# Allegro board LAY-27392_C.brd (continued)
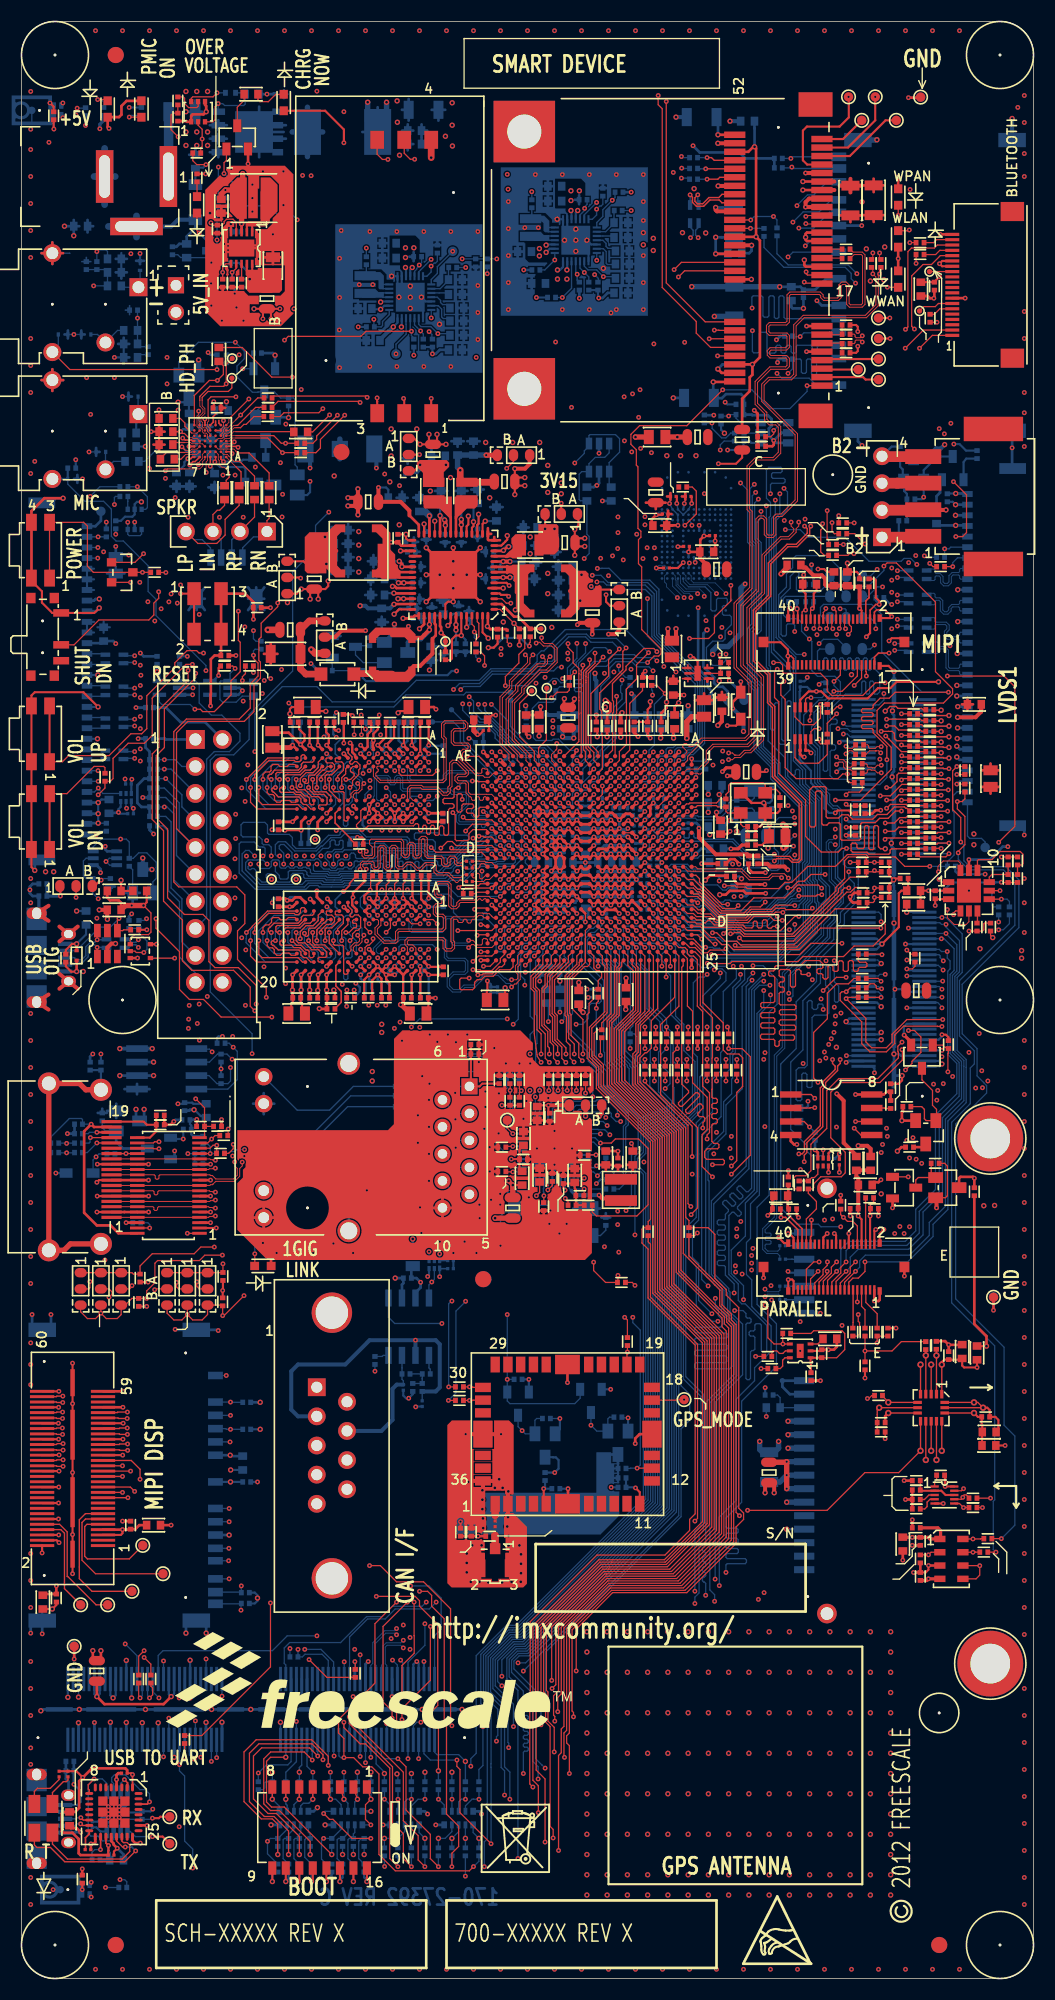
[diagram p0: board, top side]
## Routing (per net, layer and track width the routed paths; a pad name or vN(x,y) marks a point on that pad's centre or on a via; arc(x,y) is an arc through that point) (continued)
  BOTTOM w0.254: v1(55.47,110.61) 55.68,110.4
  BOTTOM w0.305: v1(58.03,116.85) 57.66,117.22 C609.1 ; 55.68,110.4 C638.1
HDMI_VPH: length 2.5
  TOP w0.254: R46.2 55.12,116.85 v2(55.11,116.84) ; U1.M7 v1(54.67,110.61)
  BOTTOM w0.254: C625.1 v1(54.67,110.61) ; C610.1 55.12,116.85 v2(55.11,116.84)
HEADPHONE_DET: length 19.6
  TOP w0.114: J2.6 4.57,151.38 v1(18.41,151.38)
  BOTTOM w0.119: TVS502.2 3.49,153.59 J2.6 ; v1(18.41,151.38) R554.2 R553.1
HP_DET_OUT: length 7.9
  TOP w0.203: J8.19 11.52,80.63 11.81,80.34 C86.1 ; C86.1 R151.1 ; C86.1 12.71,79.73 12.1,79.13 U16.20
HP_L: length 3.9
  BOTTOM w0.119: L505.2 9.06,155.07 J2.4 7.17,154.69 TVS501.2
HP_R: length 3.3
  BOTTOM w0.119: TVS500.2 11.17,159.28 J2.1 9.54,159.13 L504.2
HPOUTL: length 24.2
  TOP w0.076: v1(16.66,142.44) 16.79,142.75 17.03,142.99 17.03,143.4 U7.B5
  L3_INT_1 w0.114: v1(16.66,142.44) 16.66,141.97 16.27,141.58 15.24,141.58 15.09,141.73 15.09,142.34 14.71,142.72 14.71,143.41 14.22,143.89 14.22,147.78 11.73,150.27 11.73,155.43 v1(10.94,156.22)
  BOTTOM w0.119: C534.1 11.2,153.54 R545.1 L505.1 v1(10.94,156.22) 10.94,156.97 R541.1
HPOUTL_CAP: length 1.1
  BOTTOM w0.119: R552.1 11.2,152.79 C534.2
HPOUTR: length 29.7
  TOP w0.076: 15.37,142.04 16.79,142.04 17.07,142.32 17.07,142.74 17.28,142.95 U7.A5
  TOP w0.119: v1(13.56,141.86) 13.74,142.04 15.37,142.04
  L3_INT_1 w0.114: v1(13.56,141.86) 11.94,143.48 11.61,143.48 11.1,143.99 11.1,144.81 6.81,149.1 v1(6.81,159.26)
  BOTTOM w0.119: R526.1 C519.1 7.85,160.79 R529.1 L504.1 v1(6.81,159.26)
HPOUTR_CAP: length 2.8
  BOTTOM w0.119: R525.1 8.11,162.5 7.98,162.64 7.26,162.64 v1(7.11,162.48) C519.2
I2C1_SCL: length 223.2
  TOP w0.119: R189.2 v1(79.38,59.05) ; v1(79.38,59.05) R181.1 ; v1(79.38,59.05) 81.91,59.05 82.8,59.94 R187.1 ; v1(31.88,148.29) 31.76,148.4 24.16,148.4 R12.1
  TOP w0.178: U1.N5 v1(53.07,112.21)
  L3_INT_1 w0.114: v1(84.15,133.88) 85.39,132.64 86.08,132.64 87.15,131.57 88.01,131.57 93.29,126.29 93.29,107.56 93.73,107.13 93.73,97.54 89.6,93.41 89.6,88.89 91.69,86.79 91.69,83.82 90.04,82.17 89.53,82.17 87.25,79.88 87.25,68.71 86.61,68.07 86.61,62.48 83.69,59.56 81.15,59.56 80.64,59.05 v1(79.38,59.05) ; v1(53.07,112.21) 53.26,112.41 53.26,114.06 53.78,114.58 53.78,116.05 53.35,116.49 53.35,117.73 53.63,118.02 53.63,119.55 55.55,121.46 56.44,121.46 56.76,121.79 56.77,121.79 57.37,122.38 v1(57.37,123.19) 57.37,124.02 57.84,124.49 57.84,130.42 57.02,131.23 57.02,133.32 57.02,133.89 57.02,137.74 57.71,138.43 57.71,142.75 57.86,142.9 57.86,144.33 58.26,144.73 58.26,145.34 58.08,145.52 v1(58.08,146.89)
  L6_INT_2 w0.114: v1(31.88,148.29) 32.07,148.09 44.13,148.09 46.1,146.13 48.46,146.13 49.23,146.89 v1(58.08,146.89) ; v1(57.37,123.19) 58,122.55 61.43,122.55 61.43,122.55 61.76,122.55 61.76,122.55 62.86,122.55 64.21,121.21 68.25,121.21 68.45,121.41 71.67,121.41 72.14,121.89 72.14,123.06 71.4,123.79 71.4,127.92 71.93,128.45 73.13,128.45 73.39,128.7 73.39,129.25 73.81,129.67 78.16,129.67 78.48,129.34 78.48,128.74 79.08,128.14 79.08,124.68 79.59,124.17 82.59,124.17 83.1,124.68 83.1,133.41 83.57,133.88 v1(84.15,133.88)
I2C1_SDA: length 233.6
  TOP w0.119: R193.1 80.01,54.86 79.73,54.58 v1(79.6,54.58) ; R183.2 R182.1 v1(80.52,59.82) ; v1(32.54,148.77) 32.41,148.89 23.77,148.89 R11.1
  TOP w0.178: v1(53.87,111.41) U1.N6
  L3_INT_1 w0.114: v1(53.87,111.41) 53.45,111.82 52.91,111.82 52.68,112.05 52.68,112.37 52.43,112.62 52.11,112.62 51.88,112.85 51.88,114.77 52.11,115 52.95,115 53.14,115.19 53.14,115.78 52.7,116.22 52.7,118 52.98,118.29 52.98,120.17 v1(55.75,122.94) 55.75,125.43 57.18,126.85 57.18,130.06 56.28,130.96 56.28,132.42 56.03,132.67 56.03,133.73 56.59,134.29 56.59,138.33 57.15,138.89 57.15,142.57 57,142.72 57,143.97 57.15,144.12 57.15,146.56 59.51,148.92 v1(59.51,153.8) ; v1(80.52,59.82) 83.59,59.82 86.36,62.59 86.36,68.18 86.99,68.81 86.99,79.99 89.43,82.42 89.94,82.42 91.44,83.93 91.44,86.74 89.34,88.84 89.34,93.84 93.5,97.99 93.5,107.04 92.2,108.33 92.2,125.81 85.72,132.28 84.42,132.28 v1(83.48,133.22)
  L6_INT_2 w0.114: v1(55.75,122.94) 56.64,122.94 57.28,122.3 62.74,122.3 64.11,120.93 68.48,120.93 68.71,121.16 71.75,121.16 72.39,121.79 72.39,123.19 71.67,123.91 71.67,127.58 72.21,128.12 74.04,128.12 74.42,128.5 74.8,128.5 75.06,128.75 75.06,129.25 75.26,129.45 78,129.45 78.26,129.18 78.26,128.65 78.87,128.05 78.87,124.59 79.5,123.95 82.68,123.95 83.31,124.59 83.31,129.39 83.78,129.85 83.78,131.66 83.48,131.95 v1(83.48,133.22) ; v1(79.6,54.58) 79.73,54.58 80.52,55.37 v1(80.52,59.82) ; v1(32.54,148.77) 33.63,149.86 41.88,149.86 45.55,153.53 59.25,153.53 v1(59.51,153.8)
I2C2_SCL: length 268.8
  TOP w0.119: R306.1 43.21,124.82 43.59,124.45 v1(43.59,123.55) ; R172.1 R173.1 R174.1 10.41,66.42 10.55,66.29 R170.2 11.18,67.06 12.32,68.2 16.26,68.2 16.89,68.83 v1(18.16,68.83) ; v1(76.71,119) 75.82,118.11 R53.1 ; v1(86.61,89.59) 86.2,89.59 86.17,89.61 83,89.61 82.17,88.78 82.17,87.99 81.38,87.2 79.83,87.2 79.07,87.96 79.07,90.02 77.04,92.05 77.04,92.69 77.2,92.85 v1(77.61,92.85) 77.98,93.22 R116.1 ; v1(19.94,78.49) 19.94,78.48 19.94,78.08 19.51,77.65 R154.1
  TOP w0.178: U1.U5 v1(49.87,112.21)
  L3_INT_1 w0.114: v1(91.95,99.42) 91.08,100.28 91.08,104.7 90.8,104.98 90.8,117.83 88.38,120.26 87.08,120.26 86.05,121.29 79.41,121.29 77.12,119 v1(76.71,119) ; v1(42.14,120.6) 42.14,120.98 43.59,122.43 v1(43.59,123.55) ; v1(22.86,122.13) 23.15,121.84 23.15,120.7 20.65,118.2 20.65,114.88 20.36,114.59 20.36,112.61 20.04,112.29 20.04,110.23 20.56,109.71 20.56,104.75 20.78,104.53 20.78,99.24 19.92,98.38 19.92,96.83 20.45,96.3 20.45,84.5 20.34,84.39 19.97,84.39 19.86,84.28 19.86,84.13 19.97,84.02 20.34,84.02 20.45,83.91 20.45,83.76 20.34,83.65 19.97,83.65 19.86,83.54 19.86,83.39 19.97,83.28 20.34,83.28 20.45,83.18 20.45,83.02 20.34,82.92 19.97,82.92 19.86,82.81 19.86,82.66 19.97,82.55 20.34,82.55 20.45,82.44 20.45,82.29 20.34,82.18 19.97,82.18 19.86,82.07 19.86,81.92 19.97,81.81 20.34,81.81 20.45,81.7 20.45,81.55 20.34,81.44 19.97,81.44 19.86,81.33 19.86,81.18 19.97,81.07 20.34,81.07 20.45,80.97 20.45,78.99 v1(19.94,78.49) 19.13,77.67 19.13,69.8 v1(18.16,68.83) ; v1(77.61,92.85) 78.23,92.24 78.23,89.61 78.12,89.5 77.88,89.5 77.77,89.39 77.77,89.24 77.88,89.13 78.12,89.13 78.23,89.03 78.23,88.87 78.12,88.77 77.88,88.77 77.77,88.66 77.77,88.51 77.88,88.4 78.12,88.4 78.23,88.29 78.23,85.52 77.34,84.63 77.34,78.18 77.94,77.59 77.94,73.09 v1(76.33,71.48)
  L6_INT_2 w0.114: v1(42.14,120.6) 41.85,120.89 40.52,120.89 39.74,121.66 37.89,121.66 37.03,122.52 32.08,122.52 31.58,122.02 24.23,122.02 24.05,121.84 23.15,121.84 v1(22.86,122.13) ; v1(86.61,89.59) 86.21,89.99 86.21,90.35 86.49,90.63 86.77,90.63 87.96,91.82 87.96,93.75 88.41,94.19 88.41,94.38 89.24,95.21 89.24,95.36 90.37,96.49 90.37,96.49 90.98,97.1 90.98,98.44 v1(91.95,99.42) ; v1(18.16,68.83) 24.77,68.83 24.87,68.73 29.74,68.73 30,68.99 31.39,68.99 33.4,70.99 45.9,70.99 47.25,69.64 51.66,69.64 52.47,70.45 56.52,70.45 57.09,71.02 60.76,71.02 61.11,71.37 63.32,71.37 64.21,72.26 73.15,72.26 73.65,71.76 76.04,71.76 v1(76.33,71.48)
  BOTTOM w0.119: v1(42.14,120.6) 42.55,120.19 42.55,119.2 43.26,118.49 43.81,118.49 45.02,117.28 45.02,117.12 47.03,115.11 48.02,115.11 48.46,114.68 48.46,114.36 48.66,114.16 48.66,113.65 48.89,113.41 49.15,113.41 49.16,113.4 49.23,113.4 49.48,113.15 49.48,112.6 v1(49.87,112.21) ; v1(91.95,99.42) R622.1
I2C2_SDA: length 258.3
  TOP w0.119: R117.1 77.72,92.33 v1(77.6,92.2) 79.45,90.35 79.45,88.14 80.01,87.58 81.38,87.58 81.91,88.11 81.91,88.84 83.31,90.24 v1(86.69,90.24) ; R153.1 19.47,79.37 v1(19.47,79.93) ; R175.1 R176.1 R177.1 18.95,66.42 R169.2 v1(18.97,67.26) ; R39.1 76.21,119.13 76.74,119.67 v1(77.04,119.67)
  TOP w0.178: U1.T7 v1(50.67,110.61)
  L3_INT_1 w0.114: v1(43.05,124.05) 43.05,122.4 41.53,120.88 v1(41.53,119.94) ; v1(77.6,92.2) 77.6,90.75 77.17,90.32 77.17,87.95 78.01,87.1 78.01,85.61 77.11,84.7 77.11,78.11 77.72,77.5 77.72,73.53 v1(75.56,71.37) ; v1(91.95,98.68) 92.35,99.09 92.35,99.7 91.36,100.69 91.36,104.77 91.03,105.11 91.03,118.57 88.52,121.09 87.84,121.09 87.42,121.51 84.51,121.51 83.71,122.31 80.02,122.31 79.73,122.02 79.39,122.02 v1(77.04,119.67) ; v1(18.97,67.26) 17.75,68.48 17.75,69.39 18.77,70.41 18.77,77.86 19.47,78.56 v1(19.47,79.93) 19.47,80.89 18.41,81.94 18.41,83.13 19.31,84.03 19.31,85.55 19.3,85.56 19.3,85.91 19.18,86.03 19.18,87.78 19.49,88.1 19.49,89.24 20.14,89.89 20.14,94.72 19.69,95.17 18.18,95.17 17.88,95.48 17.88,112.36 18.29,112.78 19.81,112.78 20.07,113.03 20.07,114.61 20.43,114.97 20.43,118.35 22.23,120.14 22.23,120.45 v1(22.68,120.9)
  L6_INT_2 w0.114: v1(91.95,98.68) 91.95,97.76 90.58,96.4 89.46,95.27 89.46,95.12 88.62,94.29 88.62,94.1 88.18,93.66 88.18,91.72 v1(86.69,90.24) ; v1(41.53,119.94) 41.01,120.46 40.34,120.46 39.63,121.16 37.78,121.16 36.85,122.09 32.26,122.09 31.76,121.59 25.35,121.59 24.66,120.9 v1(22.68,120.9) ; v1(18.97,67.26) 19.41,67.69 22.11,67.69 22.12,67.68 29.08,67.68 30.07,68.67 31.71,68.67 33.78,70.74 45.85,70.74 47.16,69.42 51.75,69.42 52.56,70.23 56.64,70.23 57.22,70.81 60.85,70.81 61.12,71.07 63.58,71.07 64.14,71.63 69.34,71.63 70.21,70.76 74.45,70.76 75.06,71.37 v1(75.56,71.37)
  BOTTOM w0.119: v1(41.53,119.94) 41.53,119.32 42.87,117.98 43.69,117.98 44.58,117.09 44.58,116.71 47.06,114.23 47.06,113.61 47.27,113.4 47.63,113.4 47.86,113.17 47.86,113.17 47.88,113.15 47.88,112.05 48.11,111.82 50.01,111.82 50.26,111.57 50.26,111.02 v1(50.67,110.61) ; v1(43.05,124.05) 42.76,124.35 42.76,124.81 R550.1 ; v1(91.95,98.68) 92.38,98.68 92.96,99.26 R621.1
I2C3_SCL: length 423.1
  TOP w0.119: R63.1 v1(88.02,114.04) 87.63,113.65 87.63,109.99 88.38,109.23 v1(88.38,106.93) ; R172.3 5.59,62.74 6.23,62.1 6.98,62.1 v1(7.49,62.61) ; v1(11.56,30.23) 12.19,29.59 R204.1 ; R173.3 v1(7.49,62.61) ; v1(7.49,62.61) 8,62.1 9.02,62.1 9.4,62.48 R174.3 9.78,63.37 10.41,64.01 11.04,64.01 R179.1 v1(11.8,64) 11.8,64.71 12.57,65.48 12.57,67.31 12.83,67.56 16.76,67.56 17.27,68.07 v1(18.92,68.07) ; R188.1 v1(69.09,58.55) ; R202.1 v1(92.2,41.4) ; R198.1 v1(91.19,45.21)
  TOP w0.178: U1.R7 v1(51.47,110.61)
  L3_INT_1 w0.114: v1(11.56,30.23) 10.79,30.99 10.79,32.89 11.68,33.78 11.68,44.2 13.34,45.85 13.34,62.52 12.99,62.87 12.94,62.87 v1(11.8,64) ; v1(69.09,58.55) 68.45,57.91 68.45,45.21 69.34,44.32 v1(69.34,35.69) ; v1(23.47,122.31) 23.47,120.47 21.03,118.03 21.03,114.76 20.57,114.3 20.57,112.52 20.26,112.2 20.26,110.32 20.77,109.8 20.77,104.84 20.99,104.62 20.99,104.52 20.99,99.15 20.14,98.29 20.14,96.92 20.7,96.35 20.7,78.69 19.88,77.87 19.75,77.87 19.46,77.57 19.46,68.61 v1(18.92,68.07) ; v1(84.96,133.86) 84.96,134.37 85.22,134.62 85.22,137.57 85.36,137.71 85.36,154.77 82.96,157.18 80.82,157.18 v1(78.49,159.51) ; v1(91.19,45.21) 91.19,42.8 92.2,41.78 v1(92.2,41.4)
  L6_INT_2 w0.114: v1(23.47,122.31) 31.57,122.31 31.99,122.73 37.41,122.73 38.13,122.02 41.27,122.02 42.72,120.57 42.72,120.16 v1(43,119.89) ; v1(69.34,35.69) 67.39,35.69 65.48,33.78 32.77,33.78 32,33.02 26.04,33.02 24,30.99 13.04,30.99 12.28,30.23 v1(11.56,30.23) ; v1(84.96,133.86) 84.96,125.35 88.52,121.79 88.52,114.54 v1(88.02,114.04) ; v1(91.19,45.21) 91.19,46.48 89.53,48.13 76.71,48.13 73.91,50.93 73.91,57.78 73.15,58.55 v1(69.09,58.55)
  BOTTOM w0.119: v1(92.2,41.4) 93.47,42.67 93.47,51.05 92.46,52.07 92.46,59.41 87.9,63.97 87.9,80.4 87.92,80.42 87.92,80.43 90.81,83.32 90.81,84.02 90.54,84.29 90.54,84.31 89.92,84.94 89.92,87.5 88.52,88.9 88.52,93.55 93.85,98.88 93.85,103.38 92.62,104.61 89.24,104.61 88.68,105.18 88.68,106.64 v1(88.38,106.93) ; v1(84.96,133.86) 85.09,133.73 R580.1 ; v1(43,119.89) 42.99,119.88 42.99,119.51 43.44,119.06 43.55,119.06 45.24,117.37 45.24,117.21 47.12,115.34 48.28,115.34 48.68,114.94 48.68,114.45 48.91,114.22 49.21,114.22 49.46,113.97 49.46,113.61 49.68,113.39 49.7,113.39 49.71,113.4 50.03,113.4 50.26,113.17 50.26,112.05 50.51,111.8 50.83,111.8 51.06,111.57 51.06,111 51.44,110.61 v1(51.47,110.61) ; R521.1 69.88,162.86 71.73,161.01 77.5,161.01 78.08,160.43 78.08,159.92 v1(78.49,159.51)
I2C3_SDA: length 413.5
  TOP w0.119: v1(88.15,105.92) 88.15,106.05 88.77,106.68 88.77,109.35 88.06,110.06 v1(88.06,110.74) 88.52,110.74 88.77,111 R71.1 ; R176.3 v1(15.62,62.48) ; v1(15.62,62.48) 15.11,61.98 14.35,61.98 13.72,62.61 R175.3 ; v1(15.62,62.48) 16.13,61.98 17.02,61.98 17.53,62.48 R177.3 18.88,63.37 R178.1 v1(18.95,62.38) 19.08,62.38 v1(20.96,64.26) ; R190.1 v1(69.6,57.4) ; R203.1 v1(91.69,40.13) ; v1(11.56,30.86) 11.05,30.35 R205.1 ; v1(85.47,133.15) 85.78,132.84 R23.1 ; R200.1 v1(90.42,44.32)
  TOP w0.178: U1.T3 v1(50.67,113.81)
  L3_INT_1 w0.114: v1(90.42,44.32) 90.42,41.78 91.69,40.51 v1(91.69,40.13) ; v1(24.49,123.16) 24.49,120.93 21.29,117.73 21.29,114.71 20.82,114.24 20.82,112.67 21.1,112.39 21.1,111.35 20.67,110.92 20.67,110.6 21.21,110.06 21.21,106.1 21.55,105.76 21.55,105.46 21.21,105.13 21.21,104.71 21.21,104.71 21.21,99.06 20.35,98.2 20.35,97.01 21.53,95.83 21.53,87.99 21.3,87.76 21.3,80.52 21.79,80.04 21.79,74.57 20.07,72.85 20.07,65.15 v1(20.96,64.26) ; v1(85.47,133.15) 85.47,137.46 85.57,137.57 85.57,155.27 82.56,158.28 80.48,158.28 79.04,159.72 79.04,159.97 v1(78.61,160.4) ; v1(11.56,30.86) 11.56,32.64 12.32,33.4 12.32,43.69 17.27,48.64 17.27,57.15 19.18,59.05 19.18,60.91 18.95,61.14 v1(18.95,62.38) ; v1(69.6,57.4) 68.83,56.64 68.83,45.47 69.88,44.42 v1(69.88,36.32)
  L6_INT_2 w0.114: v1(69.88,36.32) 67.41,36.32 65.25,34.16 32.56,34.16 31.73,33.33 25.97,33.33 23.88,31.24 12.32,31.24 11.94,30.86 v1(11.56,30.86) ; v1(69.6,57.4) 72.9,57.4 73.41,56.9 73.41,50.42 76.07,47.75 89.41,47.75 90.42,46.74 v1(90.42,44.32) ; v1(24.49,123.16) 25.17,123.16 25.35,122.99 31.32,122.99 31.5,123.17 37.77,123.17 38.29,122.64 41.37,122.64 43.47,120.54 43.57,120.54 v1(44.23,119.89) ; v1(85.47,133.15) 85.47,125.15 88.73,121.88 88.73,111.42 v1(88.06,110.74)
  BOTTOM w0.119: v1(44.23,119.89) 45.8,118.32 45.8,117.6 47.6,115.8 49.23,115.8 49.56,115.47 49.56,115.11 50.48,114.19 50.48,114 v1(50.67,113.81) ; v1(78.61,160.4) 77.79,161.23 72.15,161.23 71.09,162.28 R517.1 ; v1(91.69,40.13) 91.44,40.39 91.44,44.91 91.58,45.05 91.58,59.54 87.53,63.59 87.53,80.57 89.28,82.32 89.28,85.68 89.66,86.06 89.66,87.29 88.27,88.69 88.27,93.9 93.47,99.11 93.47,103.25 92.41,104.32 89.15,104.32 88.15,105.32 v1(88.15,105.92)
IMX_PWR_B: length 6.3
  BOTTOM w0.127: R644.2 7.62,80.06 7.93,79.75 Q514.1
  BOTTOM w0.254: Q515.3 9.57,78.11 8.93,78.74 Q514.1
IMX_PWR_CNTL: length 2.2
  BOTTOM w0.203: Q515.1 14.17,79 v1(15.24,79) 15.25,79.01 R645.2
IN1R: length 5.2
  TOP w0.076: v1(16.69,147.47) 16.69,147.18 16.53,147.02 16.53,146.02 16.65,145.9 16.89,145.9 17.03,145.76 17.03,145.54 17.17,145.4 17.4,145.4 17.53,145.28 17.53,144.9 U7.D4
  BOTTOM w0.119: C540.1 16.85,146.44 16.69,146.6 v1(16.69,147.47)
JTAG_DACK: length 16.5
  BOTTOM w0.127: J6.19 16.38,94.61 14.88,96.11 14.88,101.32 13.84,102.36 13.84,107.95 13.33,108.46 R613.1
JTAG_DE: length 15
  BOTTOM w0.127: R612.2 13.59,109.35 14.1,108.84 14.1,102.62 15.11,101.6 15.11,97.54 J6.17
JTAG_MOD: length 13.1
  TOP w0.178: U1.H6 v1(57.87,111.41)
  L3_INT_1 w0.114: v1(57.87,111.41) 57.48,111.8 57.48,112.37 57.23,112.62 56.91,112.62 56.68,112.85 56.68,114.17 56.48,114.37 56.48,114.96 56.85,115.33 56.85,115.62 57.6,116.36 57.6,117.66 59.68,119.74 59.68,120.46 v1(59.39,120.75)
  BOTTOM w0.119: R593.1 59.31,121.24 59.39,121.17 v1(59.39,120.75)
JTAG_NSRST: length 31.2
  BOTTOM w0.119: 19.58,115.44 20.57,116.43 20.57,117.17 18.87,118.87 17.88,118.87 16.74,120.02 16.74,121.74 16.39,122.09 U513.1 R595.2
  BOTTOM w0.127: 19.58,115.44 18.16,115.44 17.44,114.72 17.44,99.86 J6.15
JTAG_NTRST: length 89.4
  TOP w0.178: v1(61.87,114.61) U1.C2
  L3_INT_1 w0.114: v1(13.46,114.68) 13.46,115.7 13.65,115.89 13.65,127.84 15.07,129.25 15.07,129.57 14.84,129.8 14.57,129.8 v1(14.1,130.28)
  L6_INT_2 w0.114: v1(53.72,132.03) 53.26,132.03 52.81,131.57 49.5,131.57 48.6,132.47 47.69,132.47 47.25,132.91 45.17,132.91 44.32,133.76 40.81,133.76 35.17,133.76 34.82,134.11 26.8,134.11 23.42,130.73 14.55,130.73 v1(14.1,130.28)
  BOTTOM w0.119: v1(53.72,132.03) 54.53,132.03 55.22,131.34 58.93,131.34 59.77,130.51 59.77,126.45 64.06,122.16 64.06,116.31 63.12,115.38 62.81,115.38 62.46,115.02 62.46,114.71 62.35,114.61 v1(61.87,114.61)
  BOTTOM w0.127: R603.2 v1(13.46,114.68) 14.48,114.68 15.11,114.05 J6.3
JTAG_PWR: length 7.7
  BOTTOM w0.254: J6.2 17.3,118.21 14.99,118.21 13.61,119.58 SH502.2
JTAG_RTCK: length 9.2
  BOTTOM w0.127: R609.1 13.59,111.12 14.61,110.11 14.61,105.66 J6.11
JTAG_TCK: length 99.7
  TOP w0.119: v1(24.13,129.43) 24.13,129.08 22.57,127.52 22.57,126.23 22.35,126.01 22.35,124.01 22.5,123.87 22.5,122.34 21.89,121.74 21.89,119.2 20.98,118.29 15.67,118.29 14.61,117.22 14.61,108.2 J6.9
  TOP w0.178: U1.H5 v1(57.87,112.21)
  L6_INT_2 w0.114: v1(24.13,129.43) 24.93,130.23 29.95,130.23 31.52,128.65 34.65,128.65 34.87,128.88 43.55,128.88 43.67,128.75 44.81,128.75 45.58,127.98 47.13,127.98 48.13,128.98 51.35,128.98 51.57,129.2 53.1,129.2 53.38,128.92 57.99,128.92 v1(58.91,129.84)
  BOTTOM w0.119: v1(58.91,129.84) 58.91,126.3 63.4,121.81 63.4,116.59 62.88,116.08 61.59,116.08 61.34,115.82 60.83,115.82 60.66,115.65 60.66,115.25 60.43,115.02 60.13,115.02 59.86,114.75 59.86,113.65 59.63,113.42 59.31,113.42 59.06,113.17 59.06,112.85 58.83,112.62 58.35,112.62 58.11,112.38 58.04,112.38 v1(57.87,112.21)
  BOTTOM w0.127: R608.1 13.46,112.01 14.86,110.62 14.86,107.95 J6.9
JTAG_TDI: length 92.2
  TOP w0.178: v1(58.67,112.21) U1.G5
  L3_INT_1 w0.114: v1(14.68,129.41) 13.44,128.17 13.44,115.98 13.07,115.62 13.07,114.18 v1(13.46,113.79)
  L6_INT_2 w0.114: v1(14.68,129.41) 17.4,129.41 18.26,130.28 23.62,130.28 25.81,132.46 30.29,132.46 30.83,131.92 31.92,131.92 32.11,132.11 36.55,132.11 36.66,132.21 37.15,132.71 44.76,132.71 44.99,132.48 47.07,132.48 47.51,132.04 48.42,132.04 49.33,131.14 52.98,131.14 53.14,130.99 v1(53.62,130.99)
  BOTTOM w0.119: v1(53.62,130.99) 53.91,130.69 58.71,130.69 59.32,130.08 59.32,126.27 63.62,121.97 63.62,116.5 62.94,115.82 61.72,115.82 61.47,115.57 61.47,115.19 61.28,115 60.91,115 60.68,114.77 60.68,113.67 60.43,113.42 60.11,113.42 59.86,113.17 59.86,112.85 59.63,112.62 59.14,112.62 58.92,112.4 58.86,112.4 v1(58.67,112.21)
  BOTTOM w0.127: R606.2 v1(13.46,113.79) 14.1,113.79 J6.5
JTAG_TDO: length 103.8
  TOP w0.178: v1(58.67,111.41) U1.G6
  L3_INT_1 w0.114: v1(13.89,129.53) 13.89,129.03 13.22,128.36 13.22,116.07 12.86,115.7 12.86,112.62 13.46,112.02 v1(13.46,110.24)
  L6_INT_2 w0.114: v1(54.15,131.4) 52.95,131.4 52.9,131.36 49.41,131.36 48.51,132.26 47.6,132.26 47.16,132.69 45.08,132.69 44.85,132.92 37.06,132.92 36.57,132.43 35.64,132.43 35.28,132.79 31.12,132.79 31,132.68 25.72,132.68 25.7,132.66 25.68,132.66 23.52,130.51 18.11,130.51 17.43,129.82 14.18,129.82 v1(13.89,129.53)
  BOTTOM w0.119: v1(54.15,131.4) 54.78,131.4 55.07,131.11 58.7,131.11 59.55,130.27 59.55,126.36 63.84,122.06 63.84,116.41 63.03,115.6 62.72,115.6 62.14,115.02 61.73,115.02 61.46,114.75 61.46,113.65 61.23,113.42 60.91,113.42 60.66,113.17 60.66,112.85 60.43,112.62 60.11,112.62 59.86,112.37 59.86,112.05 59.63,111.82 59.08,111.82 v1(58.67,111.41)
  BOTTOM w0.127: J6.13 14.35,103.38 14.35,109.6 13.72,110.24 v1(13.46,110.24) R611.2
JTAG_TMS: length 93.8
  TOP w0.178: U1.C3 v1(61.87,113.81)
  L3_INT_1 w0.114: v1(14.99,131.12) 15.44,130.66 15.44,129.18 13.87,127.61 13.87,113.18 v1(13.59,112.9)
  L6_INT_2 w0.114: v1(54.19,132.68) 53.78,132.68 53.77,132.69 47.78,132.69 47.69,132.78 47.69,132.78 46.72,133.75 45.1,133.75 44.87,133.98 40.72,133.98 36.73,133.98 35.97,134.75 35.41,134.75 35.12,134.46 26.82,134.46 23.32,130.96 15.56,130.96 15.4,131.12 v1(14.99,131.12)
  BOTTOM w0.119: v1(54.19,132.68) 54.61,132.68 54.62,132.69 55.3,132.69 56.41,131.57 59.13,131.57 59.99,130.72 59.99,126.54 64.28,122.25 64.28,116.22 63.22,115.16 62.91,115.16 62.68,114.93 62.68,114.62 v1(61.87,113.81)
  BOTTOM w0.127: J6.7 15.11,110.24 15.11,111.38 v1(13.59,112.9) R607.2
JTAG_VREF: length 4
  BOTTOM w0.254: J6.1 13.59,116.59 13.51,116.66 R601.2
KEY_COL4: length 217.3
  TOP w0.119: R36.1 51.56,121.23 51.36,121.03 50.41,121.03 v1(49.88,120.5) ; R211.1 v1(83.59,163.32)
  TOP w0.178: U1.T6 v1(51.47,111.41)
  L3_INT_1 w0.114: v1(51.47,111.41) 51.05,111.82 50.51,111.82 50.28,112.05 50.28,113.15 50.25,113.17 50.03,113.4 49.73,113.4 49.48,113.65 49.48,113.97 49.53,114.02 49.53,117.28 49.39,117.42 49.39,120.01 v1(49.88,120.5) 49.88,121.08 48.8,122.16 48.8,122.63 49.51,123.34 50.1,123.34 50.62,123.85 51.05,123.85 51.16,123.74 51.6,123.74 51.82,123.97 51.82,126.26 51.23,126.85 51.23,134.37 53.54,136.68 53.54,138.44 54.51,139.41 54.53,139.41 55.31,140.19 55.31,146.09 58.21,148.99 v1(58.21,149.49) ; v1(83.59,163.32) 83.59,162.81 85.14,161.26 85.14,158.17 87.45,155.85 v1(87.45,146.33) ; v1(35.1,89.41) 34.66,88.97 34.66,70.81 32.56,68.71 29.77,68.71 25.53,64.47 25.53,35.59 28.35,32.77 28.35,28.68 27.25,27.58 20.47,27.58 19.05,26.16 17.78,26.16 16.38,24.77 v1(16.38,24.26)
  L6_INT_2 w0.114: v1(35.1,89.41) 35.8,89.41 36.8,90.41 42.56,90.41 44.23,92.09 45.77,92.09 46.74,93.06 46.74,96.13 47.21,96.6 47.6,96.6 47.88,96.87 47.88,97.17 48.11,97.4 48.4,97.4 48.65,97.65 48.65,98.75 48.93,99.02 49.23,99.02 49.45,99.25 49.45,104.35 49.71,104.6 50,104.6 51.05,105.65 51.05,110.36 51.08,110.39 51.08,110.77 51.47,111.16 v1(51.47,111.41) ; v1(58.21,149.49) 60,147.7 62.36,147.7 64.09,145.97 65.35,145.97 65.83,146.45 66.68,146.45 67.18,145.95 68.38,145.95 69.6,147.17 77.83,147.17 78.67,146.33 v1(87.45,146.33)
  BOTTOM w0.119: J508.50 v1(16.38,24.26)
KEY_COL5: length 123.4
  TOP w0.178: U1.P5 v1(52.27,112.21)
  L3_INT_1 w0.114: v1(16.88,20.84) 17.78,19.94 18.82,19.94 24.84,25.96 28.09,25.96 29.41,27.28 29.41,33.5 26.62,36.3 26.62,56.29 27.48,57.15 v1(33.27,57.15) 33.27,66.93 36.47,70.13 36.47,87.53 37.49,88.54 v1(37.49,89.51)
  L6_INT_2 w0.114: v1(52.27,112.21) 52.27,111.96 51.88,111.57 51.88,110.64 51.85,110.62 51.85,105.95 50.25,104.35 50.25,99.25 50,99 49.71,99 49.45,98.75 49.45,97.59 49.28,97.41 48.89,97.41 48.65,97.17 48.65,96.85 48.4,96.6 48.04,96.6 47.85,96.42 47.85,93.19 47.62,92.96 46.96,92.96 45.87,91.87 44.37,91.87 42.53,90.03 38.01,90.03 v1(37.49,89.51)
  BOTTOM w0.119: R661.1 v1(33.27,57.15) ; J508.52 v1(16.88,20.84)
KEY_COL6: length 133.1
  TOP w0.178: U1.T2 v1(50.67,114.61)
  L3_INT_1 w0.114: v1(35.64,89.99) 35.64,88.8 35.31,88.47 35.31,70.56 32.26,67.51 29.03,67.51 25.88,64.36 25.88,35.81 28.68,33.02 28.68,28.32 27.61,27.25 20.88,27.25 19.8,26.18 17.88,24.26 v1(17.88,20.45)
  L6_INT_2 w0.114: v1(35.64,89.99) 36.32,90.68 42.44,90.68 44.07,92.3 45.68,92.3 46.53,93.15 46.53,96.32 47.05,96.85 47.05,97.17 47.31,97.42 47.63,97.42 47.88,97.67 47.88,98.81 48.1,99.02 48.43,99.02 48.65,99.25 48.65,104.53 48.68,104.56 48.68,112.4 48.88,112.6 50.03,112.6 50.28,112.85 50.28,113.17 50.51,113.4 50.8,113.4 51.05,113.65 51.05,113.97 50.67,114.36 v1(50.67,114.61)
  BOTTOM w0.119: v1(50.67,114.61) 50.11,115.16 50.11,115.34 49.43,116.03 47.8,116.03 46.02,117.81 R597.1 ; J508.56 v1(17.88,20.45)
KEY_COL7: length 131.9
  TOP w0.178: U1.R6 v1(52.27,111.41)
  L3_INT_1 w0.114: v1(45.72,90.3) 45.72,90.8 48.39,93.47 48.39,94.61 49.47,95.69 49.47,109.16 49.73,109.42 50.03,109.42 50.28,109.67 50.28,109.97 50.53,110.22 50.83,110.22 51.05,110.45 51.05,110.75 51.31,111 51.6,111 52.01,111.41 v1(52.27,111.41) ; v1(36.7,89.53) 36.7,88.47 35.84,87.6 35.84,70.1 32.79,67.06 29.13,67.06 26.21,64.14 26.21,35.94 29.06,33.1 29.06,27.84 28.14,26.92 24.51,26.92 v1(18.38,20.8)
  BOTTOM w0.119: J508.58 v1(18.38,20.8) ; v1(36.7,89.53) 37.46,90.3 v1(45.72,90.3) ; R594.1 56.86,121.25 56.86,120.13 55.98,119.25 55.98,116.69 54.76,115.47 54.76,114.02 54.28,113.54 54.28,112.87 54.03,112.62 53.73,112.62 53.48,112.37 53.48,112.07 53.23,111.82 52.93,111.82 52.52,111.41 v1(52.27,111.41)
KEY_ROW2: length 62.8
  TOP w0.178: v1(48.27,112.21) U1.W4
  L3_INT_1 w0.114: v1(21.01,78) 21.01,91.08 21.09,91.16 v1(21.09,91.57)
  L6_INT_2 w0.114: v1(21.09,91.57) 21.67,92.15 22.56,92.15 23.23,91.48 26.58,91.48 27.76,90.3 32.74,90.3 33.34,90.89 42.36,90.89 46.28,94.82 46.28,97.17 46.51,97.4 46.8,97.4 47.05,97.65 47.05,98.75 47.31,99 47.6,99 47.85,99.25 47.85,104.37 47.88,104.39 47.88,107.7 47.87,107.7 47.87,111.57 48.27,111.96 v1(48.27,112.21)
  BOTTOM w0.119: R652.1 19.54,77.65 19.71,77.83 20.1,77.83 20.28,78 v1(21.01,78)
KEY_ROW4: length 224.1
  TOP w0.119: R210.1 v1(84.18,161.37)
  TOP w0.178: U1.V5 v1(49.07,112.21)
  L3_INT_1 w0.114: v1(86.84,145.33) 86.87,145.36 86.87,156.01 84.18,158.7 84.18,161.37 v1(84.18,161.37) ; v1(20.88,120.19) 19.61,118.92 19.15,118.92 17.43,117.2 17.43,93.06 17.96,92.53 17.96,87.77 18.55,87.17 18.55,86.69 17.75,85.88 17.75,81.23 16.36,79.84 16.36,66.55 17.12,65.79 17.12,64.82 20.45,61.49 20.45,57.06 21.12,56.39 21.12,46.14 21.24,46.02 21.24,35.79 v1(26.04,30.99) ; v1(42.16,119.91) 42.16,120.07 42.87,120.78 43.02,120.78 47.18,124.93 48.58,124.93 48.83,125.18 48.98,125.18 50.55,126.75 50.55,135.41 51.9,136.76 52.66,136.76 52.86,136.96 52.86,138.61 54.74,140.49 54.74,143.67 54.62,143.79 54.62,146.31 56.72,148.41 v1(56.72,148.82)
  L6_INT_2 w0.114: v1(56.72,148.82) 58.27,147.27 61.93,147.27 63.72,145.48 65.57,145.48 65.9,145.81 66.46,145.81 66.85,145.42 68.78,145.42 69.47,146.1 77.8,146.1 78.13,145.77 84.81,145.77 85.25,145.33 v1(86.84,145.33) ; v1(42.16,119.91) 41.4,120.67 40.43,120.67 39.65,121.44 37.8,121.44 36.94,122.3 32.17,122.3 31.67,121.81 25.04,121.81 24.75,121.51 22.2,121.51 v1(20.88,120.19)
  BOTTOM w0.119: v1(49.07,112.21) 48.68,112.6 48.68,113.17 48.43,113.42 48.11,113.42 47.88,113.65 47.88,114.7 47.68,114.89 46.93,114.89 44.8,117.03 44.8,117.19 43.77,118.21 43.1,118.21 42.16,119.16 v1(42.16,119.91) ; J508.79 28.88,29.94 28.3,30.53 26.7,30.53 26.44,30.28 R676.1 26.04,30.28 v1(26.04,30.99)
